# KiCad board safeproject-panel-r2.kicad_pcb (continued)
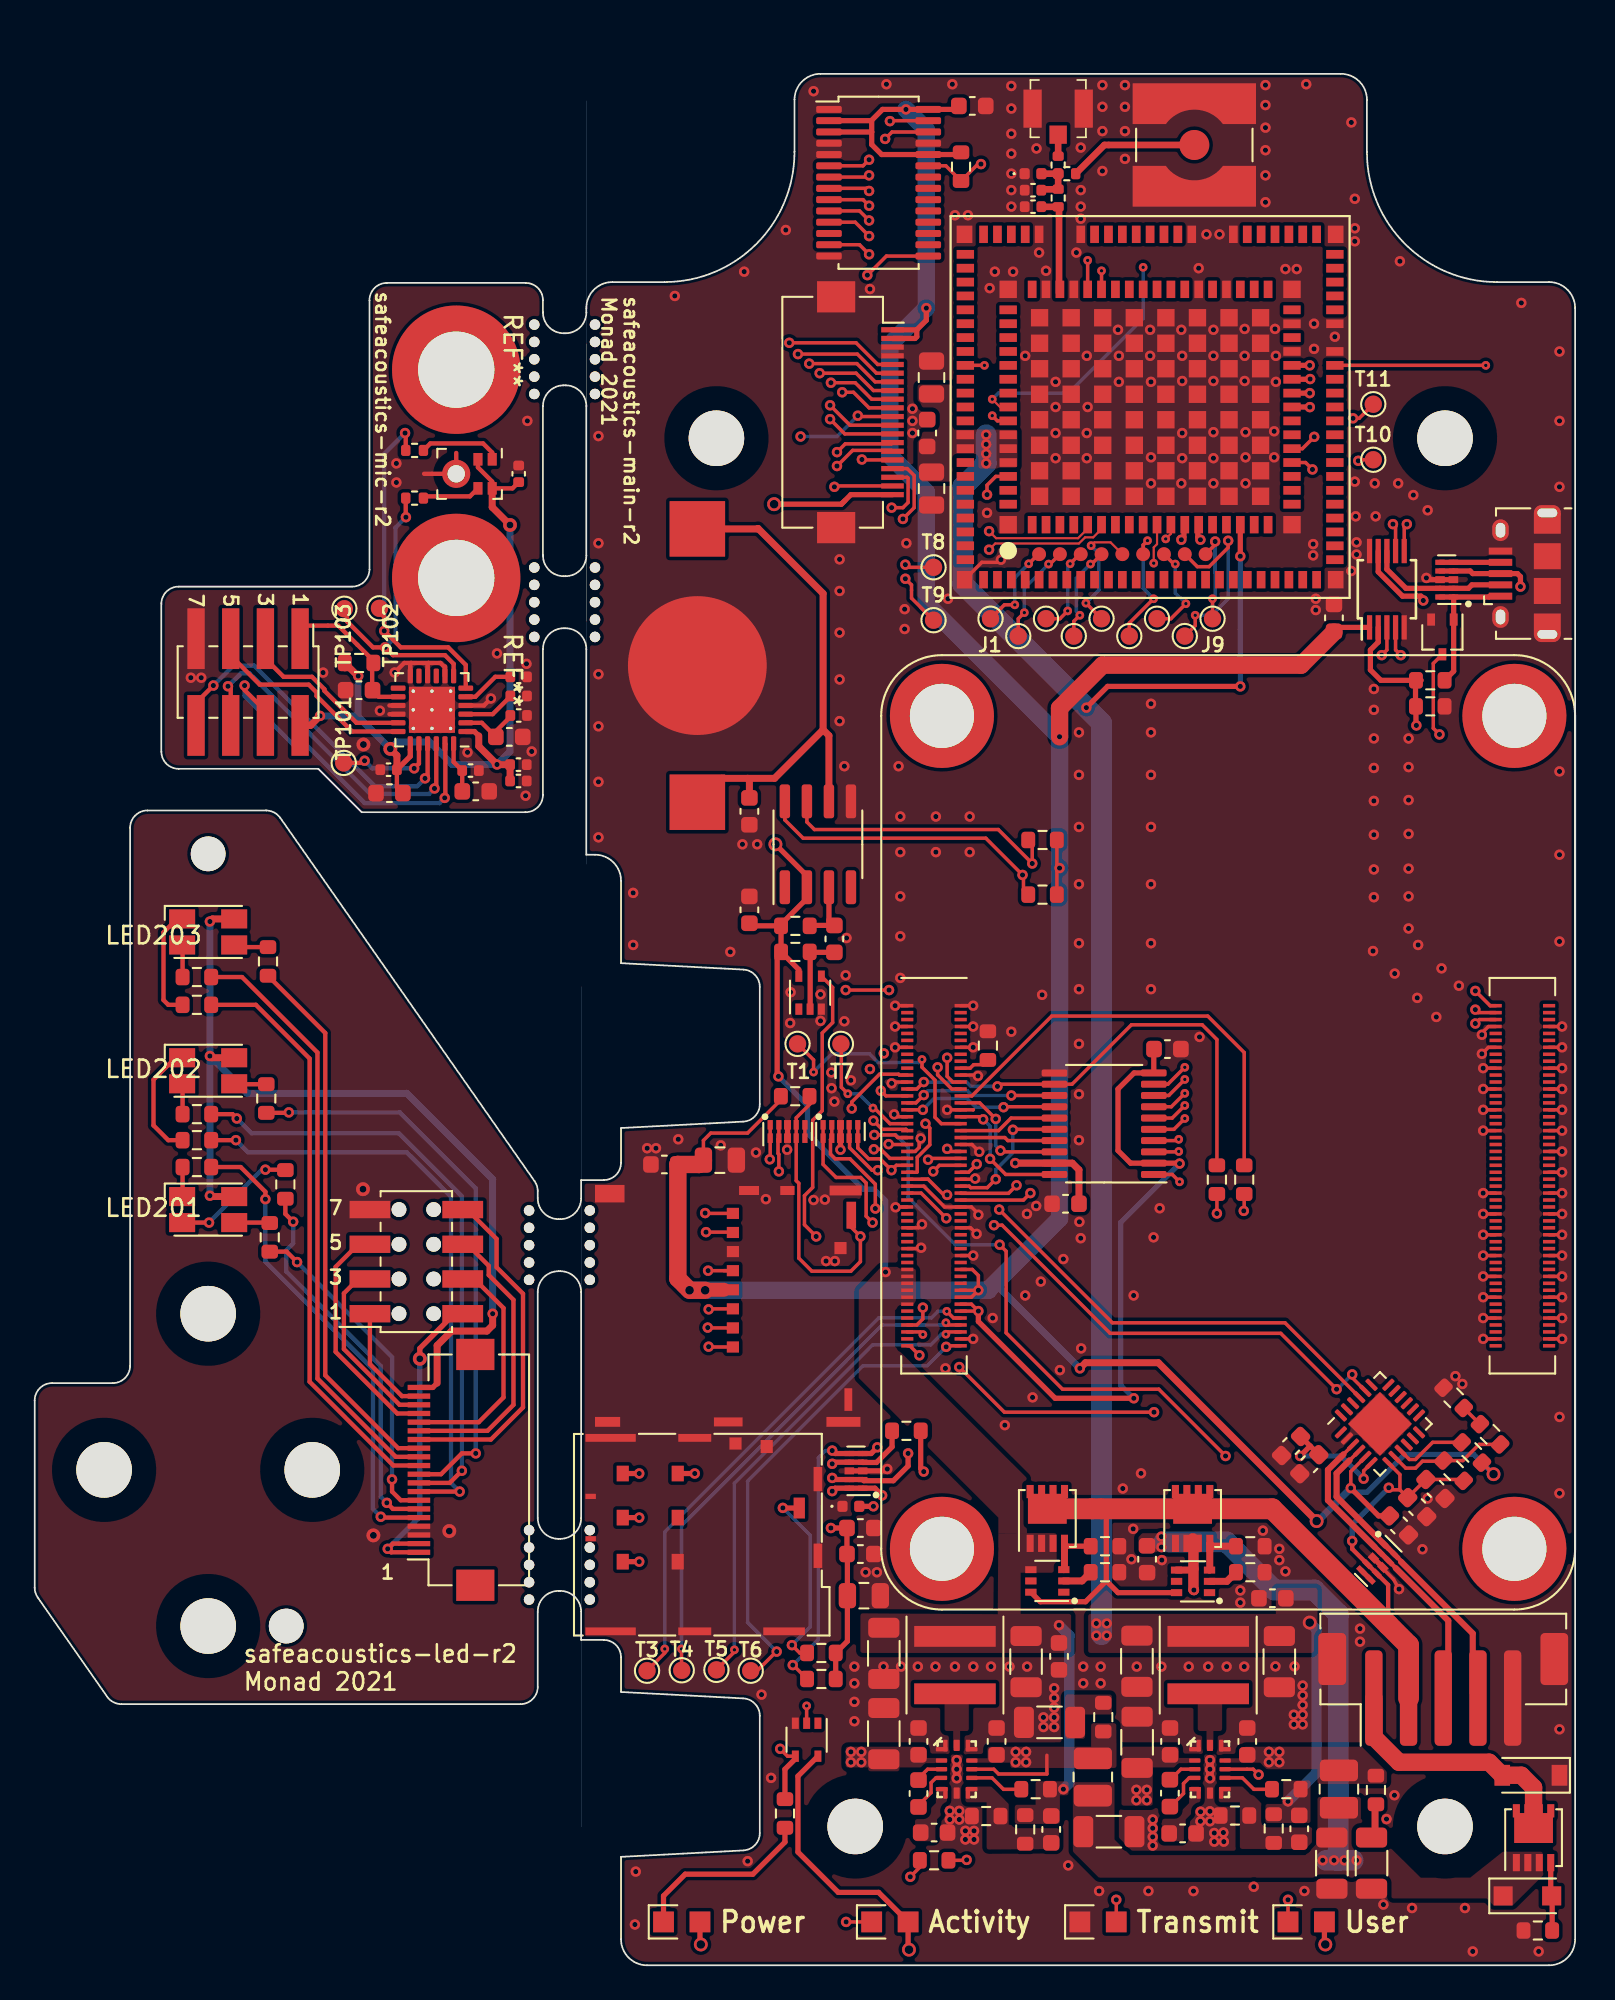
[diagram p0: board, top side]
## Footprints (pads in the part's own frame, mm; a bottom-side part is the same pattern mirrored in y, then rotated) (continued)
PinHeader_2x04_P2.00mm_Vertical_SMD_AMPMODU
  rect 3.5x1 smd: 1(-2.5,3) 2(2.5,3) 3(-2.5,1) 4(2.5,1) 5(-2.5,-1) 6(2.5,-1) 7(-2.5,-3) 8(2.5,-3)
PinSocket_2x04_P2.00mm_Vertical_SMD_Bottom_or_Top_Entry_AMPMODU
  round 0.85 hole 0.85 unplated: (-1,3) (-1,1) (-1,-1) (-1,-3) (1,3) (1,1) (1,-1) (1,-3)
  rect 2.35x1 smd: 1(2.675,3) 2(-2.675,3) 3(2.675,1) 4(-2.675,1) 5(2.675,-1) 6(-2.675,-1) 7(2.675,-3) 8(-2.675,-3)
QFN-24-1EP_4x4mm_P0.5mm_EP2.6x2.6mm
  rrect 1.05x1.05 smd: (-0.65,0.65) (-0.65,-0.65) (0.65,0.65) (0.65,-0.65)
  rrect 0.825x0.25 smd: 1(-1.938,1.25) 2(-1.937,0.75) 3(-1.938,0.25) 4(-1.938,-0.25) 5(-1.937,-0.75) 6(-1.938,-1.25) 13(1.938,-1.25) 14(1.937,-0.75) 15(1.938,-0.25) 16(1.938,0.25) 17(1.937,0.75) 18(1.938,1.25)
  rrect 0.25x0.825 smd: 7(-1.25,-1.938) 8(-0.75,-1.937) 9(-0.25,-1.938) 10(0.25,-1.938) 11(0.75,-1.937) 12(1.25,-1.938) 19(1.25,1.938) 20(0.75,1.937) 21(0.25,1.938) 22(-0.25,1.938) 23(-0.75,1.937) 24(-1.25,1.938)
  rect 2.6x2.6 smd: 25(0,0)
QFN-24-1EP_4x4mm_P0.5mm_EP2.65x2.65mm_ThermalVias
  rrect 1.15x1.15 smd: (-0.66,0.66) (-0.66,-0.66) (0.66,0.66) (0.66,-0.66)
  rrect 0.85x0.3 smd: 1(-1.95,1.25) 2(-1.95,0.75) 3(-1.95,0.25) 4(-1.95,-0.25) 5(-1.95,-0.75) 6(-1.95,-1.25) 13(1.95,-1.25) 14(1.95,-0.75) 15(1.95,-0.25) 16(1.95,0.25) 17(1.95,0.75) 18(1.95,1.25)
  rrect 0.3x0.85 smd: 7(-1.25,-1.95) 8(-0.75,-1.95) 9(-0.25,-1.95) 10(0.25,-1.95) 11(0.75,-1.95) 12(1.25,-1.95) 19(1.25,1.95) 20(0.75,1.95) 21(0.25,1.95) 22(-0.25,1.95) 23(-0.75,1.95) 24(-1.25,1.95)
  round 0.5 hole 0.2: 25(-1.075,1.075) 25(-1.075,0) 25(-1.075,-1.075) 25(0,1.075) 25(0,0) 25(0,-1.075) 25(1.075,1.075) 25(1.075,0) 25(1.075,-1.075)
  rect 2.65x2.65 smd: 25(0,0)
  rect 2.65x2.65 smd far side: 25(0,0)
R_0402_1005Metric
  rrect 0.54x0.64 smd: 1(-0.51,0) 2(0.51,0)
R_0603_1608Metric
  rrect 0.8x0.95 smd: 1(-0.825,0) 2(0.825,0)
Raspberry-Pi-4-Compute-Module
  rect 0.7x0.2 smd: 1(-2,31.3) 2(1.08,31.3) 3(-2,30.9) 4(1.08,30.9) 5(-2,30.5) 6(1.08,30.5) 7(-2,30.1) 8(1.08,30.1) 9(-2,29.7) 10(1.08,29.7) 11(-2,29.3) 12(1.08,29.3) 13(-2,28.9) 14(1.08,28.9) 15(-2,28.5) 16(1.08,28.5) 17(-2,28.1) 18(1.08,28.1) 19(-2,27.7) 20(1.08,27.7) 21(-2,27.3) 22(1.08,27.3) 23(-2,26.9) 24(1.08,26.9) 25(-2,26.5) 26(1.08,26.5) 27(-2,26.1) 28(1.08,26.1) 29(-2,25.7) 30(1.08,25.7) 31(-2,25.3) 32(1.08,25.3) 33(-2,24.9) 34(1.08,24.9) 35(-2,24.5) 36(1.08,24.5) 37(-2,24.1) 38(1.08,24.1) 39(-2,23.7) 40(1.08,23.7) 41(-2,23.3) 42(1.08,23.3) 43(-2,22.9) 44(1.08,22.9) 45(-2,22.5) 46(1.08,22.5) 47(-2,22.1) 48(1.08,22.1) 49(-2,21.7) 50(1.08,21.7) 51(-2,21.3) 52(1.08,21.3) 53(-2,20.9) 54(1.08,20.9) 55(-2,20.5) 56(1.08,20.5) 57(-2,20.1) 58(1.08,20.1) 59(-2,19.7) 60(1.08,19.7) 61(-2,19.3) 62(1.08,19.3) 63(-2,18.9) 64(1.08,18.9) 65(-2,18.5) 66(1.08,18.5) 67(-2,18.1) 68(1.08,18.1) 69(-2,17.7) 70(1.08,17.7) 71(-2,17.3) 72(1.08,17.3) 73(-2,16.9) 74(1.08,16.9) 75(-2,16.5) 76(1.08,16.5) 77(-2,16.1) 78(1.08,16.1) 79(-2,15.7) 80(1.08,15.7) 81(-2,15.3) 82(1.08,15.3) 83(-2,14.9) 84(1.08,14.9) 85(-2,14.5) 86(1.08,14.5) 87(-2,14.1) 88(1.08,14.1) 89(-2,13.7) 90(1.08,13.7) 91(-2,13.3) 92(1.08,13.3) 93(-2,12.9) 94(1.08,12.9) 95(-2,12.5) 96(1.08,12.5) 97(-2,12.1) 98(1.08,12.1) 99(-2,11.7) 100(1.08,11.7) 101(31.92,31.3) 102(35,31.3) 103(31.92,30.9) 104(35,30.9) 105(31.92,30.5) 106(35,30.5) 107(31.92,30.1) 108(35,30.1) 109(31.92,29.7) 110(35,29.7) 111(31.92,29.3) 112(35,29.3) 113(31.92,28.9) 114(35,28.9) 115(31.92,28.5) 116(35,28.5) 117(31.92,28.1) 118(35,28.1) 119(31.92,27.7) 120(35,27.7) 121(31.92,27.3) 122(35,27.3) 123(31.92,26.9) 124(35,26.9) 125(31.92,26.5) 126(35,26.5) 127(31.92,26.1) 128(35,26.1) 129(31.92,25.7) 130(35,25.7) 131(31.92,25.3) 132(35,25.3) 133(31.92,24.9) 134(35,24.9) 135(31.92,24.5) 136(35,24.5) 137(31.92,24.1) 138(35,24.1) 139(31.92,23.7) 140(35,23.7) 141(31.92,23.3) 142(35,23.3) 143(31.92,22.9) 144(35,22.9) 145(31.92,22.5) 146(35,22.5) 147(31.92,22.1) 148(35,22.1) 149(31.92,21.7) 150(35,21.7) 151(31.92,21.3) 152(35,21.3) 153(31.92,20.9) 154(35,20.9) 155(31.92,20.5) 156(35,20.5) 157(31.92,20.1) 158(35,20.1) 159(31.92,19.7) 160(35,19.7) 161(31.92,19.3) 162(35,19.3) 163(31.92,18.9) 164(35,18.9) 165(31.92,18.5) 166(35,18.5) 167(31.92,18.1) 168(35,18.1) 169(31.92,17.7) 170(35,17.7) 171(31.92,17.3) 172(35,17.3) 173(31.92,16.9) 174(35,16.9) 175(31.92,16.5) 176(35,16.5) 177(31.92,16.1) 178(35,16.1) 179(31.92,15.7) 180(35,15.7) 181(31.92,15.3) 182(35,15.3) 183(31.92,14.9) 184(35,14.9) 185(31.92,14.5) 186(35,14.5) 187(31.92,14.1) 188(35,14.1) 189(31.92,13.7) 190(35,13.7) 191(31.92,13.3) 192(35,13.3) 193(31.92,12.9) 194(35,12.9) 195(31.92,12.5) 196(35,12.5) 197(31.92,12.1) 198(35,12.1) 199(31.92,11.7) 200(35,11.7)
SMA_Amphenol_132134-10_Vertical
  round 1.73 smd: 1(0,0)
  custom 7.11x2.35 smd: 2(0,2.8) 2(0,-2.8)
SOIC-8_3.9x4.9mm_P1.27mm
  rrect 1.95x0.6 smd: 1(-2.475,1.905) 2(-2.475,0.635) 3(-2.475,-0.635) 4(-2.475,-1.905) 5(2.475,-1.905) 6(2.475,-0.635) 7(2.475,0.635) 8(2.475,1.905)
SOT-323_SC-70
  rect 0.7x0.45 smd: 1(-1,0.65) 2(-1,-0.65) 3(1,0)
SOT-353_SC-70-5
  rect 0.65x0.4 smd: 1(-0.95,0.65) 2(-0.95,0) 3(-0.95,-0.65) 4(0.95,-0.65) 5(0.95,0.65)
SOT-363_SC-70-6
  rect 0.65x0.4 smd: 1(-0.95,0.65) 2(-0.95,0) 3(-0.95,-0.65) 4(0.95,-0.65) 5(0.95,0) 6(0.95,0.65)
TestPoint_Pad_D1.0mm
  round 1 smd: 1(0,0)
TSSOP-20_4.4x6.5mm_P0.65mm
  rrect 1.475x0.4 smd: 1(-2.862,2.925) 2(-2.862,2.275) 3(-2.862,1.625) 4(-2.862,0.975) 5(-2.862,0.325) 6(-2.862,-0.325) 7(-2.862,-0.975) 8(-2.862,-1.625) 9(-2.862,-2.275) 10(-2.862,-2.925) 11(2.862,-2.925) 12(2.862,-2.275) 13(2.862,-1.625) 14(2.862,-0.975) 15(2.862,-0.325) 16(2.862,0.325) 17(2.862,0.975) 18(2.862,1.625) 19(2.862,2.275) 20(2.862,2.925)
TSSOP-28_4.4x9.7mm_P0.65mm
  rrect 1.475x0.4 smd: 1(-2.862,4.225) 2(-2.862,3.575) 3(-2.862,2.925) 4(-2.862,2.275) 5(-2.862,1.625) 6(-2.862,0.975) 7(-2.862,0.325) 8(-2.862,-0.325) 9(-2.862,-0.975) 10(-2.862,-1.625) 11(-2.862,-2.275) 12(-2.862,-2.925) 13(-2.862,-3.575) 14(-2.862,-4.225) 15(2.862,-4.225) 16(2.862,-3.575) 17(2.862,-2.925) 18(2.862,-2.275) 19(2.862,-1.625) 20(2.862,-0.975) 21(2.862,-0.325) 22(2.862,0.325) 23(2.862,0.975) 24(2.862,1.625) 25(2.862,2.275) 26(2.862,2.925) 27(2.862,3.575) 28(2.862,4.225)
unnamed
  round 2 hole 2 unplated: (0,0)
USB_Micro-B_Amphenol_10118194_Horizontal
  oval 0.89x1.55 smd: (-3.5,-1.3) (3.5,-1.3)
  oval 1.25x0.95 smd: (-2.5,1.4) (2.5,1.4)
  rect 0.4x1.35 smd: 1(-1.3,1.4) 2(-0.65,1.4) 3(0,1.4) 4(0.65,1.4) 5(1.3,1.4)
  oval 0.89x1.55 hole 0.5x1.15: 6(-3.5,-1.3) 6(3.5,-1.3)
  rect 1.2x1.55 smd: 6(-2.9,-1.3) 6(2.9,-1.3)
  oval 1.25x0.95 hole 0.85x0.55: 6(-2.5,1.4) 6(2.5,1.4)
  rect 1.5x1.55 smd: 6(-1,-1.3) 6(1,-1.3)
USON-10_2.5x1.0mm_P0.5mm
  rect 0.55x0.3 smd: 1(-0.385,1) 1(0.385,1) 2(-0.385,0.5) 2(0.385,0.5) 4(-0.385,-0.5) 4(0.385,-0.5) 5(-0.385,-1) 5(0.385,-1)
  rect 0.55x0.4 smd: 3(-0.385,0) 3(0.385,0)
Vishay_PowerPAK_1212-8_Single
  rect 0.99x0.405 smd: 1(-1.435,0.99) 2(-1.435,0.33) 3(-1.435,-0.33) 4(-1.435,-0.99)
  custom 2.235x2.39 smd: 5(0.557,0)
WQFN-HR-13
  rrect 0.675x0.25 smd: 1(-0.863,1.15) 5(-0.863,-1.15) 7(0.863,-1.15) 11(0.863,1.15)
  rrect 0.25x0.675 smd: 1(-0.65,1.363) 5(-0.65,-1.363) 7(0.65,-1.363) 11(0.65,1.363)
  rrect 0.65x0.25 smd: 2(-0.875,0.5) 3(-0.875,0) 4(-0.875,-0.5) 8(0.875,-0.5) 9(0.875,0) 10(0.875,0.5)
  rrect 0.35x0.65 smd: 6(0,-1.375) 12(0,1.375)
  rrect 0.45x1.45 smd: 13(0,0)
wurth-spacer-WA-SMSI-9774030151R
  round 6 hole 3.7 unplated: (0,0)
wurth-spacer-WA-SMSI-9774070360R
  round 7.4 hole 4.4 unplated: (0,0)

## Nets
+1V8: C25.2 Module1.88 Module1.90 U9.2 U9.10
+3V3: C27.1 C29.1 C30.1 C33.1 C37.2 C38.2 C101.1 C106.2 C107.2 C110.1 C111.1 D1.2 D2.2 D7.2 J14.4 J16.1 J16.2 J101.2 J201.2 J202.1 J202.2 MIC101.2 MIC101.5 Module1.78 Module1.84 Module1.86 R1.2 R2.2 R24.2 R28.1 R33.2 R103.2 U1.5 U9.19 U12.5 U15.1 U17.2 U17.3 U17.24 U17.28 U101.1 U101.19
+3V7: C12.1 C14.1 C16.1 C18.1 C21.1 C22.1 C23.1 L2.2 R13.1 R16.1 U7.16 U7.61 U7.62 U7.63 U7.157 U7.158
+5V: C11.1 C13.1 C15.1 C17.1 C35.1 J16.20 J202.20 L1.2 LED201.2 LED202.2 LED203.2 Module1.77 Module1.79 Module1.81 Module1.83 Module1.85 Module1.87 Q1.1 Q1.2 Q1.3 R12.1 R14.1 R29.1 R30.1 U3.4 U13.2 U14.5
/3V7_EN: Module1.39 U6.9
/Modem/1V8_BOOT_MODE: U7.47 U9.4
/Modem/1V8_POWER_ON_N: U7.59 U9.1
/Modem/1V8_RESET_IN_N: U7.11 U9.3
/Modem/1V8_RESET_OUT_N: U7.46 U9.6
/Modem/1V8_SAFE_PWR_REMOVE: U7.152 U9.7
/Modem/1V8_TX_ON: U7.60 U9.9
/Modem/1V8_WAKE: U7.10 U9.5
/Modem/1V8_WAKE_ON_WWAN: U7.110 U9.8
/Power and input connector/Vin: C1.1 C2.1 C43.1 D5.1 FB1.1 FB2.1 Q2.1 Q2.2 Q2.3 Q3.1 Q3.2 Q3.3 U4.4
/Power and input connector/VIN_DCDC_3V7: C3.1 C5.1 C41.1 FB1.2 R36.1 U6.2 U6.10
/Power and input connector/VIN_DCDC_5: C4.1 C6.1 C42.1 FB2.2 R35.1 U5.2 U5.9 U5.10
GND: BT1.2 C1.2 C2.2 C3.2 C4.2 C5.2 C6.2 C7.1 C8.1 C13.2 C14.2 C15.2 C16.2 C17.2 C18.2 C19.1 C20.2 C21.2 C22.2 C23.2 C24.2 C25.1 C26.2 C27.2 C28.2 C29.2 C30.2 C31.2 C32.2 C33.2 C34.2 C35.2 C37.1 C38.1 C39.2 C40.2 C41.2 C42.2 C43.2 C44.2 C45.2 C101.2 C102.1 C103.1 C104.1 C105.1 C106.1 C107.1 C108.1 C109.1 C110.2 C111.2 C112.1 D3.1 D4.1 D6.1 D9.1 J10.5 J10.MP J11.2 J12.1 J13.C5 J13.CSW J13.SH J14.6 J14.DSW2 J14.GND J15.5 J15.6 J16.3 J16.4 J16.MP J101.7 J201.7 J202.3 J202.4 MIC101.3 Module1.1 Module1.2 Module1.7 Module1.8 Module1.13 Module1.14 Module1.22 Module1.23 Module1.32 Module1.33 Module1.42 Module1.43 Module1.52 Module1.53 Module1.59 Module1.60 Module1.65 Module1.66 Module1.71 Module1.74 Module1.98 Module1.107 Module1.108 Module1.113 Module1.114 Module1.119 Module1.120 Module1.125 Module1.126 Module1.131 Module1.132 Module1.137 Module1.138 Module1.144 Module1.150 Module1.155 Module1.156 Module1.161 Module1.162 Module1.167 Module1.168 Module1.173 Module1.174 Module1.179 Module1.180 Module1.185 Module1.186 Module1.191 Module1.192 Module1.197 Module1.198 Q4.2 R3.2 R7.2 R8.2 R9.2 R10.2 R11.2 R15.2 R17.2 R27.2 R32.2 U1.3 U2.3 U5.1 U5.6 U5.11 U5.13 U6.1 U6.6 U6.11 U6.13 U7.30 U7.32 U7.37 U7.39 U7.48 U7.50 U7.67 U7.68 U7.69 U7.70 U7.111 U7.113 U7.125 U7.128 U7.136 U7.139 U7.167 U7.168 U7.169 U7.170 U7.171 U7.172 U7.173 U7.174 U7.175 U7.176 U7.177 U7.178 U7.179 U7.180 U7.181 U7.182 U7.183 U7.184 U7.185 U7.186 U7.187 U7.188 U7.189 U7.190 U7.191 U7.192 U7.193 U7.194 U7.195 U7.196 U7.197 U7.198 U7.199 U7.200 U7.201 U7.202 U7.203 U7.204 U7.205 U7.206 U7.207 U7.208 U7.209 U7.210 U7.211 U7.212 U7.213 U7.214 U7.215 U7.216 U7.217 U7.218 U7.219 U7.220 U7.221 U7.222 U7.223 U7.224 U7.225 U7.226 U7.227 U7.228 U7.229 U7.230 U7.231 U7.232 U7.233 U7.234 U8.3 U9.11 U10.3 U11.3 U12.2 U12.25 U13.5 U14.3 U15.5 U15.10 U16.3 U17.1 U17.4 U17.5 U17.14 U17.25 U101.4 U101.8 U101.10 U101.12 U101.15 U101.16 U101.25
VBUS: C39.1 C40.1 J10.2 Q1.5 Q2.5 R25.1 U2.4 U3.6 U4.6 U12.7
/BCLK: J16.15 J101.6 J201.6 J202.15 Module1.49 U101.22
/BOOT_MODE: Module1.40 U9.17
/FSYNC: J16.16 J101.4 J201.4 J202.16 Module1.26 U101.23
/GLOBAL_EN_o: Module1.99 U14.4
/LED1_B: J202.7 R201.1
/LED1_G: J202.6 R204.1
/LED1_R: J202.5 R207.1
/LED2_B: J202.10 R202.1
/LED2_G: J202.9 R205.1
/LED2_R: J202.8 R208.1
/LED3_B: J202.13 R203.1
/LED3_G: J202.12 R206.1
/LED3_R: J202.11 R209.1
/LED driver, LED board connections/LED1_B: J16.7 U17.8
/LED driver, LED board connections/LED1_G: J16.6 U17.7
/LED driver, LED board connections/LED1_R: J16.5 U17.6
/LED driver, LED board connections/LED2_B: J16.10 U17.11
/LED driver, LED board connections/LED2_G: J16.9 U17.10
/LED driver, LED board connections/LED2_R: J16.8 U17.9
/LED driver, LED board connections/LED3_B: J16.13 U17.15
/LED driver, LED board connections/LED3_G: J16.12 U17.13
/Modem/RF_ANT: J12.2 R19.1
/Modem/RF_MAIN: C20.1 R20.2 U7.49
/Modem/RF_TEST: J11.1 R18.1
/Modem/UIM_CLK: R23.1 U7.27
/Modem/UIM_CLK_R: J13.C3 R23.2 U8.4
/Modem/UIM_DATA: J13.C7 R22.1 U7.28 U8.5
/Modem/UIM_RESET_N: J13.C2 U7.29 U8.2
/Modem/UIM_SIM_DET: D6.2 J13.DSW R21.1 U7.64
/Modem/UIM_VCC: C24.1 C26.1 C28.1 J13.C1 R21.2 R22.2 U7.26 U8.1
/MODEM_USB_DN: U7.12 U15.6
/MODEM_USB_DP: U7.13 U15.7
/nLEDS_ENABLE: Module1.44 R33.1 U17.23
/nPWR_LED: J16.11 R5.1 U1.4
/nPWR_LED_BUF: Module1.95 U1.2
/nRPIBOOT: Module1.93 Q4.3
/Power and input connector/IN_VIN: D4.2 J10.1 Q3.5
/Power and input connector/SW_3V7: L2.1 U6.12
/Power and input connector/SW_5V2: L1.1 U5.12
/POWER_ON_N: Module1.34 U9.20
/RESET_IN_N: Module1.30 U9.18
/RESET_OUT_N: Module1.38 U9.15
/RTC/n_RTC_INT: C36.2 R29.2 U13.3
/RXD: Module1.51 U12.21
/SAFE_PWR_REMOVE: Module1.31 U9.14
/SCL: J16.18 J101.3 J201.3 J202.18 Module1.56 R1.1 U13.8 U17.26 U101.17
/SD_CLK: J14.5 Module1.46 U10.4
/SD_CMD: J14.3 Module1.47 U10.5
/SD_DAT0: J14.7 Module1.45 U11.1
/SD_DAT1: J14.8 Module1.41 U11.2
/SD_DAT2: J14.1 Module1.24 U10.1
/SD_DAT3: J14.2 Module1.48 U10.2
/SD_nDET: J14.DSW1 Module1.50 R24.1 U11.4
/SDA: J16.17 J101.5 J201.5 J202.17 Module1.58 R2.1 U13.7 U17.27 U101.18
/SDOUT: J16.14 J101.8 J201.8 J202.14 Module1.27 U101.21
/SHDNZ: C112.2 J16.19 J101.1 J201.1 J202.19 Module1.37 R103.1 U101.14
/TX_ON: Module1.25 R6.1 U9.12
/TXD: Module1.55 U12.20
/USB-OTG flashing interface/OTG_USB_DN: J15.2 U15.8 U16.2
/USB-OTG flashing interface/OTG_USB_DP: J15.3 U15.9 U16.4
/USB-UART bridge/CP2102_VDD: C31.1 C32.1 U12.6
/USB_DN: Module1.103 U15.4
/USB_DP: Module1.105 U15.3
/USB_OTG_ID: Module1.101 R31.1 R32.1 U15.2
/USB_UART_DN: J10.4 U2.1 U12.4
/USB_UART_DP: J10.3 U2.2 U12.3
/WAKE: Module1.54 U9.16
/WAKE_ON_WWAN: Module1.29 U9.13
Net-(BT1-Pad1): BT1.1 C34.1 U13.6
Net-(C2-Pad2): C102.2 U101.5
Net-(C3-Pad2): C103.2 U101.3
Net-(C4-Pad2): C104.2 C105.2 U101.2
Net-(C7-Pad2): C7.2 U5.5
Net-(C8-Pad2): C8.2 C108.2 C109.2 U6.5 U101.24
Net-(C9-Pad1): C9.1 U5.3
Net-(C9-Pad2): C9.2 U5.4
Net-(C10-Pad1): C10.1 U6.4
Net-(C10-Pad2): C10.2 U6.3
Net-(C11-Pad2): C11.2 R14.2 R15.1 U5.7
Net-(C12-Pad2): C12.2 R16.2 R17.1 U6.7
Net-(C19-Pad2): C19.2 D9.2 R18.2 R19.2 R20.1
Net-(C36-Pad1): C36.1 R30.2 U14.2
Net-(C44-Pad1): C44.1 R35.2
Net-(C45-Pad1): C45.1 R36.2
Net-(D1-Pad1): D1.1 R4.2
Net-(D2-Pad1): D2.1 R5.2
Net-(D3-Pad2): D3.2 R6.2
Net-(D5-Pad2): D5.2 Q3.4 R11.1
Net-(D7-Pad1): D7.1 R34.2
Net-(J1-Pad1): J1.1 U7.236
Net-(J2-Pad1): J2.1 U7.237
Net-(J3-Pad1): J3.1 U7.238
Net-(J4-Pad1): J4.1 U7.239
Net-(J5-Pad1): J5.1 U7.240
Net-(J6-Pad1): J6.1 U7.241
Net-(J7-Pad1): J7.1 U7.242
Net-(J8-Pad1): J8.1 U7.243
Net-(J9-Pad1): J9.1 U7.244
Net-(J15-Pad1): J15.1 Q4.1 R31.2 U16.1
Net-(J15-Pad4): J15.4 U16.5
Net-(LED1-Pad1): LED201.1 R207.2
Net-(LED1-Pad3): LED201.3 R201.2
Net-(LED1-Pad4): LED201.4 R204.2
Net-(LED2-Pad1): LED202.1 R208.2
Net-(LED2-Pad3): LED202.3 R202.2
Net-(LED2-Pad4): LED202.4 R205.2
Net-(LED3-Pad1): LED203.1 R209.2
Net-(LED3-Pad3): LED203.3 R203.2
Net-(LED3-Pad4): LED203.4 R206.2
Net-(MIC1-Pad1): MIC101.1 R101.1
Net-(MIC1-Pad4): MIC101.4 R102.1
Net-(Module1-Pad20): Module1.20 R3.1
Net-(Module1-Pad21): Module1.21 R4.1
Net-(Module1-Pad28): Module1.28 R34.1
Net-(Module1-Pad35): Module1.35 T7.1
Net-(Module1-Pad36): Module1.36 T1.1
Net-(Module1-Pad92): Module1.92 T3.1
Net-(Module1-Pad94): Module1.94 T4.1
Net-(Module1-Pad96): Module1.96 T5.1
Net-(Module1-Pad100): Module1.100 T6.1
Net-(Q1-Pad4): Q1.4 R9.1 U3.3
Net-(Q2-Pad4): Q2.4 R10.1 U4.3
Net-(R1-Pad2): R101.2 TP102.1 U101.6
Net-(R2-Pad2): R102.2 TP103.1 U101.7
Net-(R7-Pad1): R7.1 U3.2
Net-(R8-Pad1): R8.1 U4.2
Net-(R12-Pad2): R12.2 U5.8
Net-(R13-Pad2): R13.2 U6.8
Net-(R25-Pad2): R25.2 R26.1 U12.8
Net-(R26-Pad2): R26.2 R27.1
Net-(R28-Pad2): R28.2 U12.9
Net-(T8-Pad1): T8.1 U7.5
Net-(T9-Pad1): T9.1 U7.6
Net-(T10-Pad1): T10.1 U7.22
Net-(T11-Pad1): T11.1 U7.23
Net-(TP1-Pad1): TP101.1 U101.20

Pads without a net: J13 C6; J202 MP; Module1 3 4 5 6 9 10 11 12 15 16 17 18 19 57 61 62 63 64 67 68 69 70 72 73 75 76 80 82 89 91 97 102 104 106 109 110 111 112 115 116 117 118 121 122 123 124 127 128 129 130 133 134 135 136 139 140 141 142 143 145 146 147 148 149 151 152 153 154 157 158 159 160 163 164 165 166 169 170 171 172 175 176 177 178 181 182 183 184 187 188 189 190 193 194 195 196 199 200; U1 1; U2 5; U3 1 5; U4 1 5; U7 1 2 3 4 7 8 9 14 15 17 18 19 20 21 24 25 31 33 34 35 36 38 40 41 42 43 44 45 51 52 53 54 55 56 57 58 65 66 71 72 73 74 75 76 77 78 79 80 81 82 83 84 85 86 87 88 89 90 91 92 93 94 95 96 97 98 99 100 101 102 103 104 105 106 107 108 109 114 115 116 117 118 119 120 121 122 123 124 129 130 131 132 133 134 135 140 141 142 143 144 145 146 147 148 149 150 151 153 154 155 156 159 160 161 162 163 164 165 166; U11 5; U12 1 10 11 12 13 14 15 16 17 18 19 22 23 24; U13 1 4; U14 1; U17 12 16 17 18 19 20 21 22; U101 9 11 13

## Via types
v1: diameter 0.6, hole 0.3, Top to Bottom, 634 vias
v2: diameter 0.8, hole 0.4, Top to Bottom, 7 vias
v3: diameter 0.8, hole 0.5, Top to Bottom, 10 vias
v4: diameter 0.5, hole 0.2, Top to Bottom, 45 vias

## Routing (per net, layer and track width the routed paths; a pad name or vN(x,y) marks a point on that pad's centre or on a via; arc(x,y) is an arc through that point)
+1V8: length 40.1
  Top w0.2: Module1.88 54,38.1 v1(54.4,37.7) Module1.90 ; 65.97,46.22 v1(66,46.2)
  Top w0.3: v1(63.36,32.67) 58.83,32.67 54.4,37.1 v1(54.4,37.7) ; 65.97,46.22 U9.2 63.17,46.22 62.45,46.95 62.45,50.5 63.38,51.42 U9.10 64.51,52.79 C25.2
  Bottom w0.3: v1(63.36,32.67) 62.6,33.43 62.6,42.8 v1(66,46.2)
+3V3: length 374.4
  Top w0.2: v1(75.87,27.5) 75.87,28.46 U12.5 ; Module1.84 v1(54.4,38.9) ; v1(54.4,38.9) 54,38.5 Module1.86 ; v1(54.4,38.9) 54.4,39.75 54.05,40.1 Module1.78 ; R2.2 58.92,63.17 ; 58.92,63.17 59.03,63.17 v1(59.08,63.23) ; 58.92,63.17 R1.2 ; R28.1 v3(84.1,28.3) ; 37.8,38.9 v3(37.75,38.9) ; R24.2 43.02,49.88 41.09,47.96 38.97,47.96 38.55,47.54 C29.1 ; 38.68,38.93 v3(38.65,38.9)
  Top w0.25: 17.88,75.05 17.81,75.12 17.58,75.12 ; C101.1 27.54,85.11 MIC101.5 26.37,85.5 25.55,86.32 MIC101.2 ; C110.1 20.88,67.89 C111.1 ; J202.1 20.55,23.8 v1(20.35,24) 20.65,24.3 J202.2 ; U101.19 21.65,70.05
  Top w0.3: 48.25,105.65 48.25,106.3 ; 48.25,105.65 48.25,104.92 48.83,104.35 U17.24 53.28,104.35 R33.2 ; 48.25,105.65 U17.3 ; J16.1 50.85,94.25 ; 50.85,94.25 50.85,93.85 50.75,93.75 J16.2 ; 50.85,94.25 51.4,94.8 v1(51.4,95.5) ; 53.05,106.95 U17.28 48.88,106.95 48.22,106.3 U17.2 ; 25.6,70.85 25.35,71.1 U101.1 ; U1.5 44,10.9 44,6.53 46.33,4.2 48.65,4.2 D1.2 50.35,0.95 v3(50.4,0.9) ; J201.2 24.2,37.55 22.2,35.55 v2(22.2,34.95) ; C33.1 77.47,25.9 v1(75.87,27.5) ; C37.2 75.12,77.1 U15.1 ; v3(74.4,1.2) 74.35,1.25 D7.2 ; D2.2 38.35,1.25 v3(38.4,1.2) ; C111.1 21.65,69.67 21.65,70.05
  Top w0.4: 17.88,74.77 17.88,75.05 ; C27.1 60.2,45.84 59.81,46.22 U9.19 56.53,46.22 v1(56.52,46.23) ; v1(60.25,34.4) 60.58,34.73 64.77,34.73 v3(73.9,25.6) ; MIC101.5 26.37,84.03 v2(27.4,83) ; 25.6,70.85 25.6,70.25 v1(26.65,69.2) 26.66,69.19 C107.2 27.41,68.29 ; v1(16.45,72) 15.9,71.45 J101.2 ; v1(18.65,74.3) 18.62,74.3 R103.2 ; C111.1 20.88,69.72 v2(20.5,70.1)
  Top w0.8: 74.9,76.82 C37.2 ; 39.72,38.93 38.68,38.93
  Top w1: 74.9,76.82 73,74.92 61.56,74.92 59.08,72.45 v1(59.08,70.8) ; v3(38.65,38.9) 37.8,38.9 ; C29.1 38.3,46.15 C30.1 37.08,39.58 v3(37.75,38.9)
  In2.Cu w0.3: v3(38.4,1.2) 50.1,1.2 v3(50.4,0.9) 74.1,0.9 v3(74.4,1.2) 81.7,1.2 85.8,5.3 85.8,17.86 81.3,22.36 81.3,25.5 v3(84.1,28.3)
  Bottom w0.3: v2(22.2,34.95) 22.2,25.85 v1(20.35,24) ; v1(75.87,27.5) 76.11,27.26 76.8,27.26 78.98,29.44 82.96,29.44 v3(84.1,28.3)
  Bottom w0.4: v1(60.25,34.4) 55.38,39.28 55.33,39.28 55,38.95 55,38.9 ; v1(56.52,46.23) 58.92,46.23 59.08,46.07 ; v3(73.9,25.6) 73.97,25.6 v1(75.87,27.5) ; v1(18.65,74.3) 18.65,71.95 ; 18.65,71.95 v2(20.5,70.1) 20.9,70.5 22.77,70.5 24.07,69.2 v1(26.65,69.2) 27.4,69.95 v2(27.4,83) ; 18.65,71.95 18.6,72 v1(16.45,72)
  Bottom w0.8: 54.95,38.9 v1(54.4,38.9)
  Bottom w1: 53.6,38.9 v3(37.75,38.9) ; 53.6,38.9 55,38.9 ; 53.6,38.9 54.95,38.9 59.08,43.03 v1(59.08,63.23) v1(59.08,70.8) 51.4,78.48 51.4,84.9 49.3,87 49.3,93.4 v1(51.4,95.5) 51.4,105.78 v1(50.22,106.95)
+3V7: length 103.4
  Top w0.3: U7.16 v1(69.5,81.2) ; v1(69.5,73.7) 61.85,73.7 v1(60.62,72.47)
  Bottom w0.2: 73.65,19.6 v3(73.5,19.75)
  Bottom w0.3: 61.5,19.4 61.8,19.1 v1(61.8,19) ; v1(69.5,81.2) v1(69.5,73.7)
  Bottom w0.6: 73.65,19.6 73.89,19.36 73.89,11.09 v1(72.25,9.45)
  Bottom w1.2: v1(54.85,88.2) v1(54.85,86.55) 53.5,85.2 53.5,79.6 61.5,71.6 61.5,19.05
  vias: v1(54.85,87.65) v1(54.85,87.1) v1(61.2,19.7) v1(61.2,19) v1(61.8,19.7)
+5V: length 124.5
  Top w0.2: 41.55,59.9 41.4,60.05 C35.1 ; R29.1 43.03,59.99 ; 44.52,61.48 U13.2
  Top w0.3: J16.20 47.05,84.75 46.5,84.2 ; 41.55,59.9 R29.1 R30.1 44.05,57.38 U14.5 ; v3(42.7,64.6) 44.52,62.78 U13.2 ; 43.03,59.99 44.52,61.48 ; J202.20 22.95,33.3 23.2,33.55 ; 46.5,84.2 v3(42.62,84.2) ; 46.5,84.2 46.7,84.4 ; 43.22,58.45 42.8,58.03 42.8,51.3 v1(42.88,51.22)
  Top w0.4: LED201.2 10.15,44.3 v1(10.1,44.35) ; 23.2,33.55 23.2,35.72 24.03,36.55 26.07,36.55 26.4,36.88 v1(26.4,37.55) ; LED202.2 10.2,52.3 v1(10.1,52.4) ; LED203.2 10.25,60.3 v1(10.1,60.15)
  In2.Cu w0.3: v3(42.62,84.2) 42.7,84.12 v3(42.7,64.6)
  Bottom w0.3: v1(49.05,39.95) 49.05,44.07 48.39,44.73 47.77,44.73 44.55,47.95 44.55,49.55 v1(42.88,51.22)
  Bottom w0.4: v1(10.1,52.4) 12.25,50.25 21.45,50.25 26.4,45.3 v1(26.4,37.55) ; v1(10.1,52.4) v1(10.1,44.35) ; v1(10.1,52.4) v1(10.1,60.15)
  Bottom w0.6: v1(59.3,10.15) 59.65,10.5 59.65,19 v1(59.05,19.6)
/3V7_EN: length 55.5
  Top w0.2: v1(68.65,29.35) 64.8,33.2 59.25,33.2 56,36.45 56,41.15 v1(55.62,41.53) ; Module1.39 49.75,47.7 49.6,47.85 v1(48.4,47.85) ; U6.9 70.24,11.3 v1(70.55,10.99)
  In2.Cu w0.2: v1(68.65,29.35) 68.65,20.05 70.55,18.15 70.55,10.99 v1(70.55,10.99)
  Bottom w0.2: v1(48.4,47.85) 49.65,47.85 50.35,47.15 50.35,44.25 53.08,41.53 v1(55.62,41.53)
/Modem/1V8_BOOT_MODE: length 85.2
  Top w0.2: U9.4 65.88,47.53 v4(65.95,47.6) ; v4(60.7,98.25) U7.47
  In2.Cu w0.2: v4(60.7,98.25) 62.15,98.25 63.8,96.6 81.28,96.6 86.7,91.17 86.7,86.2 81.6,81.1 80,81.1 73.75,74.85 73.75,55.4 v4(65.95,47.6)
/Modem/1V8_POWER_ON_N: length 99.4
  Top w0.125: v4(55.2,90.25) 55.65,89.8 U7.59
  Top w0.2: U9.1 65.58,45.58 v4(66,45.15)
  In2.Cu w0.2: v4(63.9,97.85) 64.7,97.05 81.4,97.05 87.1,91.35 87.1,85.9 85.45,84.25 85.45,82.2 83.95,80.7 80.1,80.7 74.25,74.85 74.25,53.4 v4(66,45.15)
  Bottom w0.2: v4(55.2,90.25) 55.55,90.6 59.6,90.6 63.9,94.9 v4(63.9,97.85)
/Modem/1V8_RESET_IN_N: length 39
  Top w0.125: 65.92,46.88 v4(65.95,46.9) ; v4(65.2,82.2) 65.5,82.5 U7.11
  Top w0.2: U9.3 65.92,46.88
  In2.Cu w0.2: v4(65.2,82.2) 64.03,81.03 64.03,80.32 65,79.35 65,47.85 v4(65.95,46.9)
/Modem/1V8_RESET_OUT_N: length 81.3
  Top w0.2: v4(66.3,49.55) 65.58,48.83 U9.6 ; v4(61.5,97.65) U7.46
  In2.Cu w0.2: v4(66.3,49.55) 73.25,56.5 73.25,74.95 79.8,81.5 81.3,81.5 86.3,86.5 86.3,90.95 81.1,96.15 63,96.15 v4(61.5,97.65)
/Modem/1V8_SAFE_PWR_REMOVE: length 87.3
  Top w0.2: v4(54.75,92.2) U7.152 ; v4(66.3,50.25) 65.53,49.47 U9.7
  In2.Cu w0.2: v4(66.3,50.25) 72.75,56.7 72.75,75.01 79.64,81.9 81.05,81.9 85.9,86.75 85.9,90.75 80.95,95.7 58.25,95.7 v4(54.75,92.2)
/Modem/1V8_TX_ON: length 84.4
  Top w0.2: v4(66.3,51.75) 65.33,50.78 U9.9 ; U7.60 55.5,89 v4(55.2,89.3)
  In2.Cu w0.2: v4(55.2,89.3) 61.2,95.3 79.55,95.3 85.1,89.75 85.1,87.2 80.6,82.7 79.5,82.7 71.75,74.95 71.75,57.2 v4(66.3,51.75)
/Modem/1V8_WAKE: length 37.1
  Top w0.125: U7.10 64.7,81.9 64.51,81.71 v4(64.51,80.8)
  Top w0.2: U9.5 65.67,48.17 v4(66.3,48.8)
  In2.Cu w0.2: v4(66.3,48.8) 65.7,49.4 65.7,79.61 v4(64.51,80.8)
/Modem/1V8_WAKE_ON_WWAN: length 61.5
  Top w0.2: U9.8 65.38,50.12 v4(66.3,51.05) ; v4(83.65,92.2) U7.110
  In2.Cu w0.2: v4(66.3,51.05) 72.25,57 72.25,74.97 79.58,82.3 80.8,82.3 85.5,87 85.5,90.35 v4(83.65,92.2)
/Power and input connector/Vin: length 31.5
  Top w0.4: 66.8,22.85 66.72,22.78 U4.4
  Top w0.6: 66.75,24.6 66.8,24.55 66.8,21.65 v1(66.83,21.62)
  Bottom w1.2: 65.1,24.4 68.7,24.4 71.47,21.62 73.78,21.62 75.15,20.25 75.15,6.05 ; 75.15,6.05 76,6.05 ; 75.15,6.05 74.45,6.05
  vias: v1(64.95,24.7) v1(64.95,24.1) v1(74.25,6.05) v1(74.9,6.05) v1(75.5,6.05) v1(76.2,6.05)
/Power and input connector/VIN_DCDC_3V7:
  vias: v1(63.51,10.11) v1(63.51,9.51) v1(64.11,10.11) v1(64.11,9.51) v1(71.15,12.3) v1(71.15,11.7) v1(71.75,12.3) v1(71.75,11.7)
/Power and input connector/VIN_DCDC_5: length 5.5
  Top w0.2: U5.9 55.29,11.3 55.56,11.03 58.35,11.03 58.35,12.1
  vias: v1(47.05,12.3) v1(47.05,11.7) v1(47.65,12.3) v1(47.65,11.7) v1(56.55,12.3) v1(56.55,11.7) v1(57.15,12.3) v1(57.15,11.7)
GND: length 67.3
  Top w0.2: Module1.198 v1(88.05,36.1) ; Module1.53 51.25,44.9 52.45,43.7 Module1.60 54,43.7 54.4,43.3 v1(54.4,43.25) ; Module1.43 50.76,46.9 50.99,47.14 50.99,47.57 v1(51.08,47.65) ; Module1.98 v1(54.1,36.1) ; Module1.167 v1(83.5,42.1) ; v1(83.5,36.1) Module1.197 ; v1(83.42,52.53) 83.8,52.9 Module1.113 ; Module1.59 49.64,43.7 v1(49.63,43.68) ; Module1.65 50.95,42.5 v1(51.15,42.7) ; Module1.125 v1(83.5,50.5) ; Module1.33 49.68,48.9 v1(49.54,49.04) ; Module1.137 v1(83.5,48.1) ; v1(83.5,38.5) Module1.185 ; v1(78.65,21.68) 78.33,22.25 77.72,22.86 ; Module1.23 49.47,50.9 v1(49.4,50.83) ; Module1.119 v1(83.5,51.7) ; v1(54.45,46.88) 54.03,47.3 Module1.42 ; Module1.162 v1(88.05,43.3) ; v1(54.3,42.15) 53.95,42.5 Module1.66 ; Module1.131 v1(83.5,49.3) ; Module1.120 v1(88.05,51.7) ; Module1.138 v1(88.05,48.1) ; Module1.161 v1(83.5,43.3) ; v1(83.42,53.62) 83.42,53.72 83.8,54.1 Module1.107 ; Module1.155 v1(83.5,44.5) ; Module1.186 v1(88.05,38.5) ; Module1.7 v1(49.6,54.1) ; Module1.150 v1(88.05,45.7) ; Module1.13 v1(49.6,52.9) ; Module1.14 v1(54.1,52.9) ; Module1.174 v1(88.05,40.9) ; Module1.132 v1(88.05,49.3) ; v1(54.38,51.25) 54.33,51.3 Module1.22 ; Module1.108 v1(88.05,54.1) ; 54.11,49.31 54.1,49.3 Module1.32 v1(52.6,49.3) ; Module1.179 v1(83.5,39.7) ; Module1.8 v1(54.1,54.1) ; v1(55.7,81) 55.55,80.85 54.6,80.85 U7.167 ; 54.15,45.4 54.05,45.3 Module1.52 ; v1(49.6,55.3) Module1.1 ; v1(83.5,37.3) Module1.191 ; Module1.168 v1(88.05,42.1) ; Module1.173 v1(83.5,40.9) ; Module1.144 v1(88.05,46.9) ; Module1.156 v1(88.05,44.5) ; Module1.71 51.05,41.3 v1(51.1,41.35) ; Module1.192 v1(88.05,37.3) ; Module1.74 v1(54.1,40.9) ; Module1.114 v1(88.05,52.9) ; Module1.180 v1(88.05,39.7) ; Module1.126 v1(88.05,50.5) ; Module1.2 v1(54.1,55.3)
  Top w0.25: 22.65,74.85 U101.10 22.65,75 22.7,75.05 ; U101.15 20.45,72.6 ; 22.45,85.95 MIC101.3 ; U101.4 25.9,72.6 v1(26.3,73) ; 23.65,74.85 U101.8 23.65,74.8 23.64,74.8 23.39,75.05 22.7,75.05 ; 21.7,75.05 21.65,75 U101.12 21.65,74.85 ; 21.7,75.05 21.3,75.05 v1(20.75,74.5) ; 21.7,75.05 22.7,75.05 ; U101.16 20.45,72.1 ; 24.3,86.61 24.3,87.15
  Top w0.3: v1(49.15,28.6) 49.04,28.49 U8.3 U8.3 ; v1(80.22,79.95) 80.33,79.85 U16.3 81.78,79.85 ; U2.3 U2.3 77.72,22.86 ; 43.4,47.67 U11.3 ; 46.45,47.67 U10.3 v1(46.45,47)
  vias: v1(9,74.2) v1(9.6,74.2) v1(16.63,74.49) v1(19.9,72.3) v1(20.85,86.55) v1(20.85,85.45) v1(24.95,69.9) v1(26.65,75.6) v1(28.3,67.4) v1(28.4,89) v1(28.35,75) v1(28.65,69.95) v1(32.5,88.12) v1(32.5,81.95) v1(32.5,74.4) v1(32.5,71.4) v1(32.5,68.2) v1(32.5,65) v1(34.5,61.8) v1(34.5,58.8) v1(34.6,2.35) v1(34.65,5.4) v1(35.31,47.09) v1(35.81,47.09) v1(36.9,96.2) v1(37.1,47.6) v1(39.55,47.25) v1(40.1,58.4) v1(40.8,64.6) v1(40.9,97.6) v1(41.1,6) v1(41.58,46.84) v1(41.65,64.6) v1(41.9,15.6) v1(42.15,44.15) v1(42.45,10.8) v1(43.3,100) v1(43.37,47) v1(43.55,54.3) v1(43.58,56.08) v1(44.9,108) v1(44.9,44.1) v1(45.3,55.95) v1(45.3,54.42) v1(45.55,44.13) v1(45.62,40.58) v1(45.92,51.45) v1(45.94,50.54) v1(46.1,49.78) v1(46.13,40.58) v1(46.4,81.02) v1(46.4,79.2) v1(46.4,76.8) v1(46.4,74.1) v1(46.4,71.7) v1(46.67,69.1) v1(46.75,57.05) v1(46.67,54.4) v1(46.8,59.2) v1(47.05,51) v1(47.25,17.21) v1(47.25,16.25) v1(47.25,15.18) v1(47.25,14.06) v1(47.9,22.65) v1(48.15,96.6) v1(48.55,22.65) v1(48.93,17.21) v1(49.1,108.4) v1(49.8,69.1) v1(49.9,66.2) v1(49.9,64.15) v1(49.9,61.6) v1(49.9,59.3) v1(49.9,56.9) v1(49.95,17.21) v1(50.15,78.15) v1(50.15,77.01) v1(50.25,81.95) v1(50.6,89.7) v1(50.6,89) v1(50.6,88.3) v1(50.91,17.21) v1(51.93,17.21) v1(51.95,66.2) v1(51.95,64.15) v1(52.5,34.4) v1(52.65,78.75) v1(52.75,8.9) v1(52.75,8.4) v1(52.9,108.4) v1(53.05,100.85) v1(53.05,17.21) v1(53.15,11.83) v1(53.15,11.3) v1(53.15,10.78) v1(53.3,8.9) v1(53.3,8.4) v1(53.65,7.75) v1(53.65,7.25) v1(53.8,100.85) v1(53.9,66.2) v1(53.9,64.15) v1(54.11,17.21) v1(54.21,45.34) v1(54.15,7.75) v1(54.15,7.25) v1(54.9,83.7) v1(55.05,96.65) v1(55.13,17.21) v1(55.22,37.3) v1(55.35,97.6) v1(55.92,31.13) v1(56.19,17.21) v1(56.3,108.3) v1(56.3,107) v1(56.3,105.55) v1(56.3,104.4) v1(56.3,103.25) v1(56.3,102.3) v1(56.3,101.35) v1(56.3,53.8) v1(56.4,97.6) v1(57.1,92.75) v1(57.1,38.6) v1(57.2,43.3) v1(57.21,17.21) v1(57.52,32.73) v1(57.75,104.7) v1(57.73,43.76) v1(57.9,98.7) v1(58,39.4) v1(58.08,55.92) v1(58.15,14.29) v1(58.15,13.73) v1(58.3,97.65) v1(58.85,91.25) v1(58.85,89.8) v1(58.85,88.3) v1(58.85,86.85) v1(58.77,15.97) v1(58.77,15.41) v1(58.77,14.85) v1(58.77,14.29) v1(58.77,13.73) v1(59.1,34.3) v1(59.3,40.7) v1(59.58,5.75) v1(60.05,98.7) v1(60.2,71.05) v1(60.2,68.6) v1(60.2,65.6) v1(60.2,62.3) v1(60.2,58.9) v1(60.2,56.25) v1(60.2,53.1) v1(60.2,50.2) v1(60.2,47.55) v1(60.22,42.84) v1(60.3,104.75) v1(60.3,102.3) v1(60.3,101.35) v1(60.3,100.65) v1(60.3,41.9) v1(60.33,35.55) v1(60.44,17.21) v1(60.44,16.25) v1(60.65,92.75) v1(60.7,89.8) v1(60.65,88.3) v1(60.65,86.85) v1(61.36,4.28) v1(61.55,108.35) v1(61.55,107.1) v1(61.55,105.7) v1(61.55,103.4) v1(61.45,17.21) v1(61.45,16.25) v1(62.45,94.25) v1(62.5,92.75) v1(62.5,91.25) v1(62.72,27.47) v1(62.85,108.35) v1(62.85,107.1) v1(62.85,105.7) v1(62.85,104.1) v1(63.22,23.4) v1(63.35,38.6) v1(63.33,25.15) v1(63.53,17.21) v1(63.78,28.35) v1(64.2,4.28) v1(64.3,94.25) v1(64.3,92.75) v1(64.35,91.25) v1(64.35,86.9) v1(64.35,85.4) v1(64.35,72.7) v1(64.35,71.05) v1(64.35,68.6) v1(64.35,65.6) v1(64.35,62.3) v1(64.35,58.9) v1(64.35,56.25) v1(64.5,41.95) v1(64.45,8.4) v1(64.45,7.9) v1(64.45,7.4) v1(64.45,6.9) v1(64.85,43.62) v1(64.97,23.35) v1(64.95,17.21) v1(66.1,94.25) v1(66.1,85.4) v1(66.15,92.75) v1(66.15,91.3) v1(66.15,88.3) v1(66.15,86.85) v1(66.53,17.21) v1(66.8,4.28) v1(67.1,97.8) v1(67.15,53.5) v1(67.21,8.85) v1(67.2,8.3) v1(67.55,99.75) v1(67.65,17.21) v1(67.75,11.83) v1(67.75,11.3) v1(67.75,10.78) v1(67.75,8.88) v1(67.75,8.3) v1(67.95,94.25) v1(67.95,92.75) v1(67.95,91.3) v1(67.95,88.35) v1(67.95,86.85) v1(67.95,85.4) v1(68,7.62) v1(68,7.12) v1(68.3,99.75) v1(68.53,7.65) v1(68.55,7.12) v1(68.71,17.21) v1(69.5,21.6) v1(69.5,20.9) v1(69.75,94.3) v1(69.75,92.75) v1(69.75,91.3) v1(69.73,17.21) v1(69.8,88.35) v1(69.8,86.9) v1(69.8,85.4) v1(70.28,4.53) v1(70.8,25.05) v1(70.95,108.35) v1(70.95,107.2) v1(70.95,105.9) v1(70.95,104.6) v1(70.95,103.15) v1(70.95,101.6) v1(71.5,94.3) v1(71.55,92.75) v1(71.55,91.25) v1(71.45,88.4) v1(71.45,86.9) v1(71.53,17.22) v1(71.75,24) v1(71.75,23.35) v1(72.1,97.75) v1(72.1,22.7) v1(72.62,17.22) v1(72.59,14.44) v1(72.59,13.88) v1(72.75,97.75) v1(73.09,16.12) v1(73.09,15.56) v1(73.09,15) v1(73.09,14.44) v1(73.09,13.88) v1(73.2,4.28) v1(73.3,108.4) v1(73.75,94.6) v1(73.75,93.15) v1(73.7,81.9) v1(73.7,81.25) v1(73.85,78.75) v1(73.85,78.1) v1(74.95,93.85) v1(75.9,106.2) v1(75.9,80.35) v1(76.1,101.8) v1(76.1,100.1) v1(76.1,99.35) v1(76.1,85.5) v1(76.15,83.5) v1(76.2,82) v1(76.2,81.3) v1(76.4,19.4) v1(76.4,18.65) v1(77.2,73.55) v1(77.2,72.35) v1(77.2,70.7) v1(77.2,69) v1(77.2,67.1) v1(77.2,65.15) v1(77.2,63.15) v1(77.2,61.55) v1(77.15,58.45) v1(77.25,85.4) v1(77.3,83.5) v1(77.75,3.5) v1(77.93,8.43) v1(78.4,57.15) v1(78.38,9.8) v1(78.6,85.4) v1(78.7,98.2) v1(79.2,70.7) v1(79.2,69.05) v1(79.2,67.15) v1(79.2,65.2) v1(79.2,63.2) v1(79.2,61.6) v1(79.2,59.75) v1(79.4,3.3) v1(79.47,84.72) v1(79.75,58.8) v1(79.7,55.75) v1(80,23.97) v1(80.3,83.85) v1(80.3,26.9) v1(80.8,54.65) v1(81.1,57.45) v1(81.9,33.95) v1(82.1,56.45) v1(82.3,33.5) v1(82.45,3.3) v1(82.9,0.8) v1(85.7,95.8) v1(86.7,0.8) v1(87.9,93) v1(87.9,89) v1(87.9,85.2) v1(87.9,68.8) v1(87.9,64) v1(87.9,59) v1(87.9,31.6) v1(87.9,27.2) v1(87.9,13.6) v2(18.92,44.72) v2(18.95,70.35) v2(19.52,24.78) v2(23.9,25.03)
